# KiCad board panel.kicad_pcb (continued)
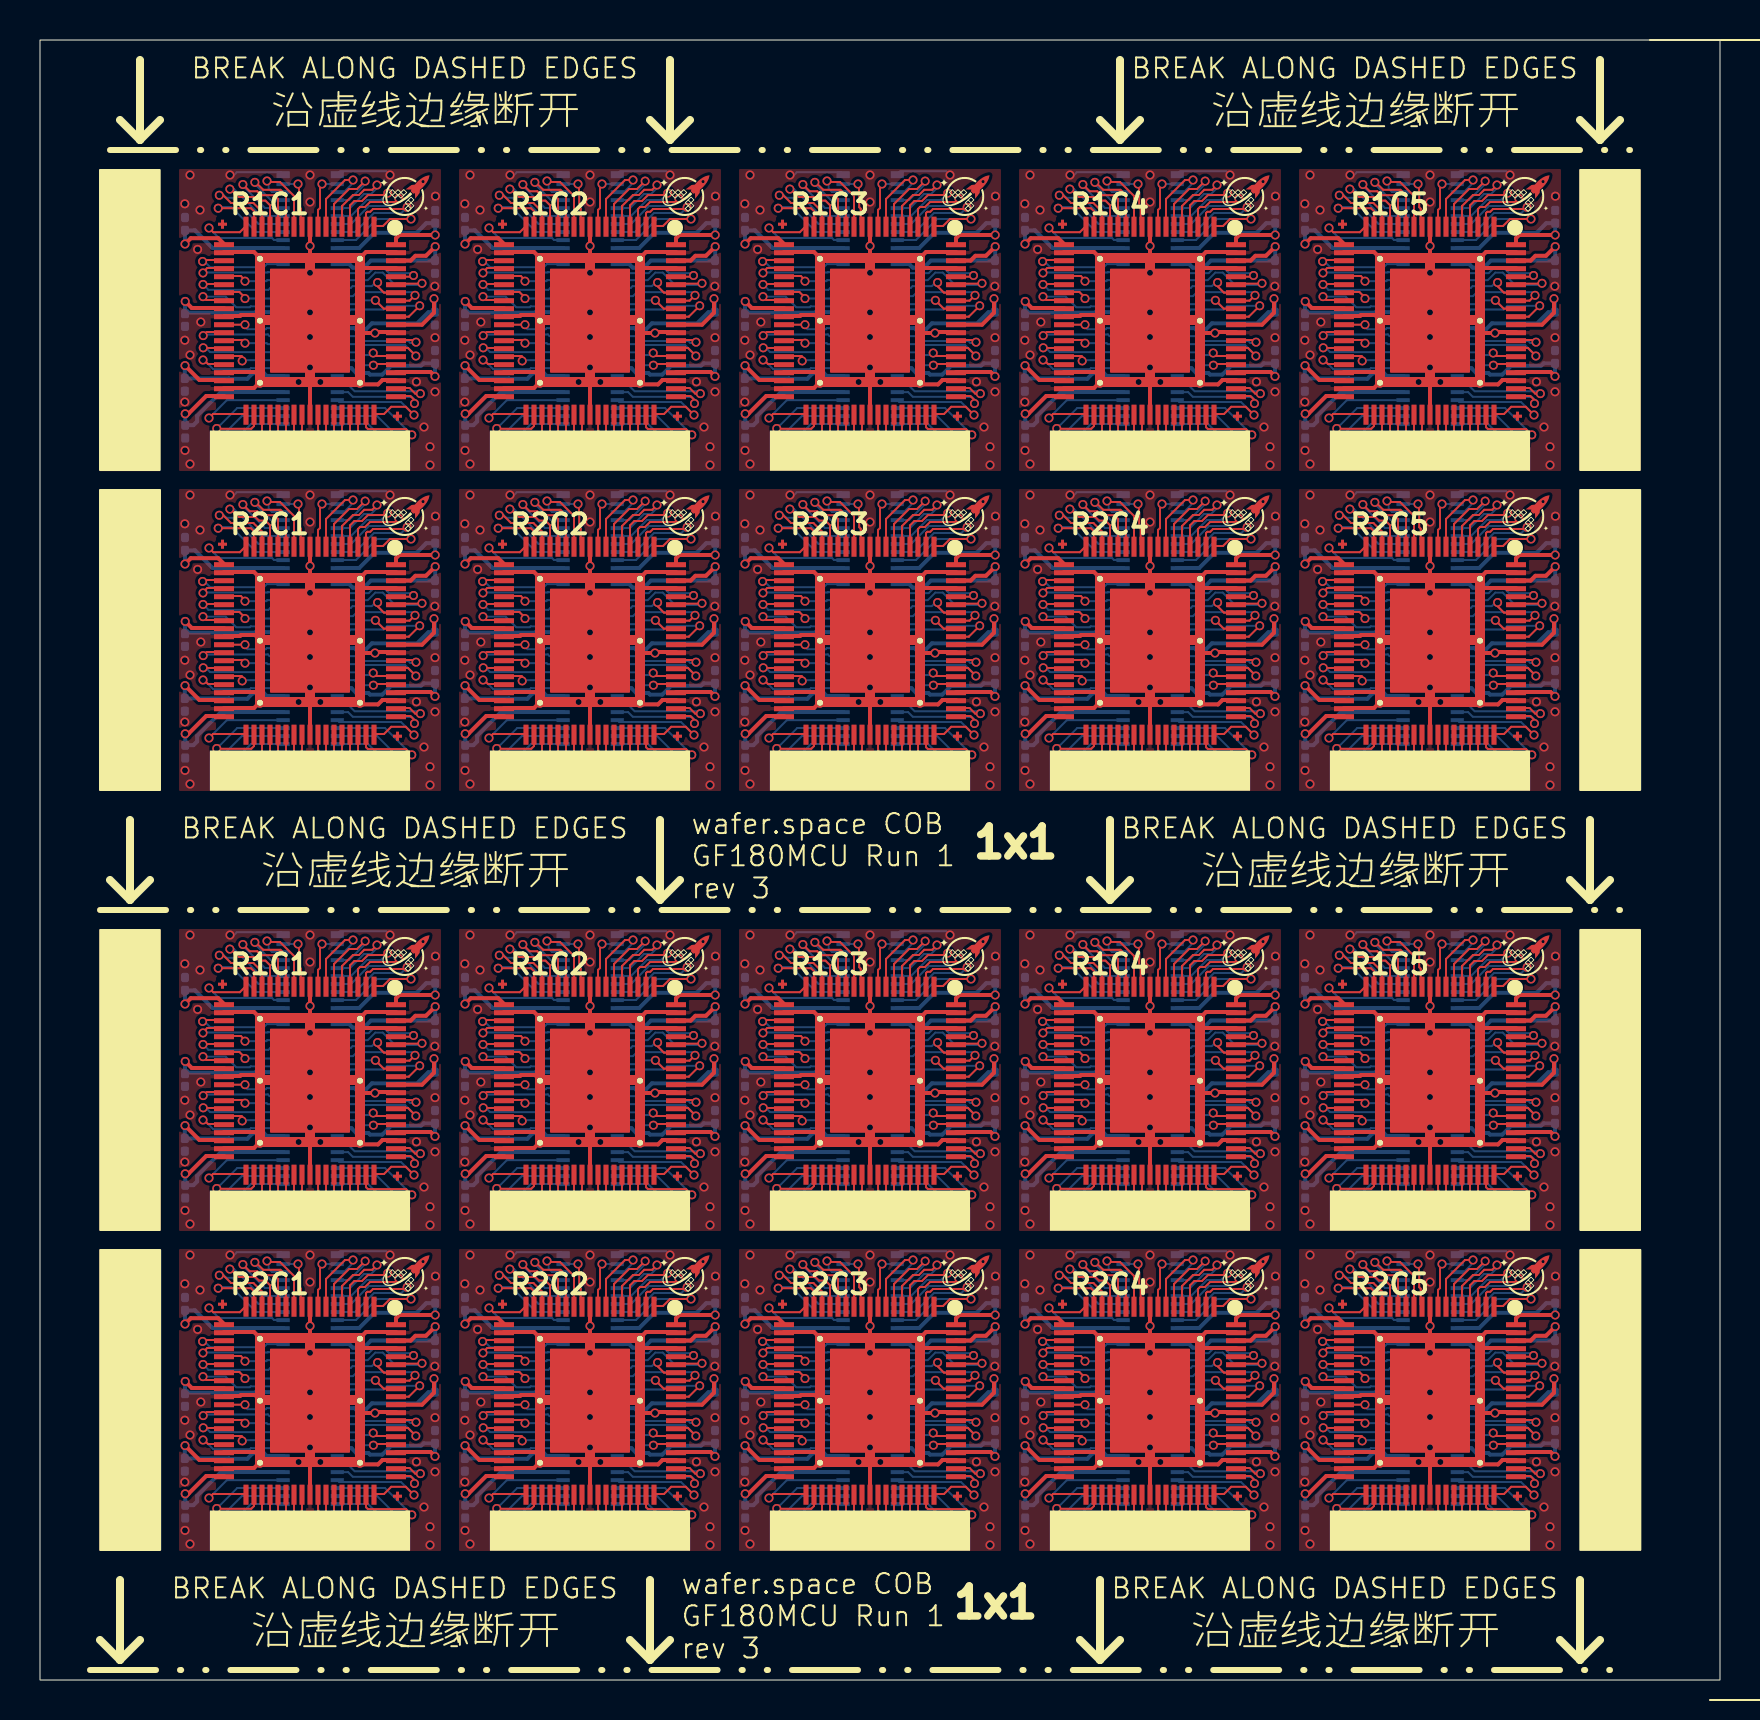
[diagram p0: board, top side]
## Routing (per net, layer and track width the routed paths; a pad name or vN(x,y) marks a point on that pad's centre or on a via; arc(x,y) is an arc through that point) (continued)
PWR_AUX_1: length 176.2
  Top w0.2: U110#2.64 75.1,67.77 75.7,68.37 v1(75.7,69.06) ; v1(47.7,69.06) 47.7,68.37 47.1,67.77 U106.64 ; U108.64 61.1,29.77 61.7,30.36 v1(61.7,31.06) ; v1(33.7,53.06) 33.7,52.36 33.1,51.77 U114.64 ; v1(75.7,53.06) 75.7,52.36 75.1,51.77 U120#2.64 ; U120.64 75.1,13.77 75.7,14.36 v1(75.7,15.06) ; U104.64 33.1,29.77 33.7,30.36 v1(33.7,31.06) ; v1(61.7,53.06) 61.7,52.36 61.1,51.77 U118#2.64 ; v1(47.7,15.06) 47.7,14.36 47.1,13.77 U116.64 ; U104#2.64 33.1,67.77 33.7,68.37 v1(33.7,69.06) ; U112.64 19.1,13.77 19.7,14.36 v1(19.7,15.06) ; U102.64 19.1,67.77 19.7,68.37 v1(19.7,69.06) ; U110.64 75.1,29.77 75.7,30.36 v1(75.7,31.06) ; U108#2.64 61.1,67.77 61.7,68.37 v1(61.7,69.06) ; U106#2.64 47.1,29.77 47.7,30.36 v1(47.7,31.06) ; U102#2.64 19.1,29.77 19.7,30.36 v1(19.7,31.06) ; U116#2.64 47.1,51.77 47.7,52.36 v1(47.7,53.06) ; U118.64 61.1,13.77 61.7,14.36 v1(61.7,15.06) ; v1(33.7,15.06) 33.7,14.36 33.1,13.77 U114#2.64 ; v1(19.7,53.06) 19.7,52.36 19.1,51.77 U112#2.64
  Bottom w0.2: v1(75.7,31.06) 75.74,31.03 C138#2.1 75.42,30.39 74.86,29.83 72.6,29.83 72.28,29.51 71.81,29.51 71.73,29.59 U109.19 ; U107.19 57.73,67.59 57.81,67.51 58.28,67.51 58.6,67.83 60.86,67.83 61.42,68.39 C130.1 61.74,69.03 v1(61.7,69.06) ; v1(61.7,15.06) 61.74,15.03 C170#2.1 61.42,14.39 60.86,13.83 58.6,13.83 58.28,13.51 57.81,13.51 57.73,13.59 U117#2.19 ; U119#2.19 71.73,13.59 71.81,13.51 72.28,13.51 72.6,13.83 74.86,13.83 75.42,14.39 C178#2.1 75.74,15.03 v1(75.7,15.06) ; v1(19.7,31.06) 19.74,31.03 C106#2.1 19.42,30.39 18.86,29.83 16.6,29.83 16.28,29.51 15.81,29.51 15.73,29.59 U101.19 ; v1(33.7,69.06) 33.74,69.03 C114.1 33.42,68.39 32.86,67.83 30.6,67.83 30.28,67.51 29.81,67.51 29.73,67.59 U103#2.19 ; U117.19 57.73,51.59 57.81,51.51 58.28,51.51 58.6,51.83 60.86,51.83 61.42,52.39 C170.1 61.74,53.03 v1(61.7,53.06) ; U105.19 43.73,67.59 43.81,67.51 44.28,67.51 44.6,67.83 46.86,67.83 47.42,68.39 C122.1 47.74,69.03 v1(47.7,69.06) ; v1(47.7,31.06) 47.74,31.03 C122#2.1 47.42,30.39 46.86,29.83 44.6,29.83 44.28,29.51 43.81,29.51 43.73,29.59 U105#2.19 ; v1(33.7,31.06) 33.74,31.03 C114#2.1 33.42,30.39 32.86,29.83 30.6,29.83 30.28,29.51 29.81,29.51 29.73,29.59 U103.19 ; v1(61.7,31.06) 61.74,31.03 C130#2.1 61.42,30.39 60.86,29.83 58.6,29.83 58.28,29.51 57.81,29.51 57.73,29.59 U107#2.19 ; U113.19 29.73,13.59 29.81,13.51 30.28,13.51 30.6,13.83 32.86,13.83 33.42,14.39 C154.1 33.74,15.03 v1(33.7,15.06) ; v1(19.7,69.06) 19.74,69.03 C106.1 19.42,68.39 18.86,67.83 16.6,67.83 16.28,67.51 15.81,67.51 15.73,67.59 U101#2.19 ; U109#2.19 71.73,67.59 71.81,67.51 72.28,67.51 72.6,67.83 74.86,67.83 75.42,68.39 C138.1 75.74,69.03 v1(75.7,69.06) ; U119.19 71.73,51.59 71.81,51.51 72.28,51.51 72.6,51.83 74.86,51.83 75.42,52.39 C178.1 75.74,53.03 v1(75.7,53.06) ; U111.19 15.73,13.59 15.81,13.51 16.28,13.51 16.6,13.83 18.86,13.83 19.42,14.39 C146#2.1 19.74,15.03 v1(19.7,15.06) ; v1(33.7,53.06) 33.74,53.03 C154#2.1 33.42,52.39 32.86,51.83 30.6,51.83 30.28,51.51 29.81,51.51 29.73,51.59 U113#2.19 ; U115.19 43.73,51.59 43.81,51.51 44.28,51.51 44.6,51.83 46.86,51.83 47.42,52.39 C162.1 47.74,53.03 v1(47.7,53.06) ; v1(47.7,15.06) 47.74,15.03 C162#2.1 47.42,14.39 46.86,13.83 44.6,13.83 44.28,13.51 43.81,13.51 43.73,13.59 U115#2.19 ; U111#2.19 15.73,51.59 15.81,51.51 16.28,51.51 16.6,51.83 18.86,51.83 19.42,52.39 C146.1 19.74,53.03 v1(19.7,53.06)

## Copper pours and planes (outline as drawn; the poured copper is in the pictures)
GND on Top, Bottom, In1.Cu, In2.Cu: 20.5,76 34.5,76 34.5,60 20.5,60
GND on Top, Bottom, In1.Cu, In2.Cu: 62.5,76 76.5,76 76.5,60 62.5,60
GND on Top, Bottom, In1.Cu, In2.Cu: 48.5,38 62.5,38 62.5,22 48.5,22
GND on Top, Bottom, In1.Cu, In2.Cu: 20.5,22 34.5,22 34.5,6 20.5,6
GND on Top, Bottom, In1.Cu, In2.Cu: 62.5,60 76.5,60 76.5,44 62.5,44
GND on Top, Bottom, In1.Cu, In2.Cu: 48.5,22 62.5,22 62.5,6 48.5,6
GND on Top, Bottom, In1.Cu, In2.Cu: 6.5,60 20.5,60 20.5,44 6.5,44
GND on Top, Bottom, In1.Cu, In2.Cu: 62.5,22 76.5,22 76.5,6 62.5,6
GND on Top, Bottom, In1.Cu, In2.Cu: 34.5,38 48.5,38 48.5,22 34.5,22
GND on Top, Bottom, In1.Cu, In2.Cu: 48.5,76 62.5,76 62.5,60 48.5,60
GND on Top, Bottom, In1.Cu, In2.Cu: 6.5,38 20.5,38 20.5,22 6.5,22
GND on Top, Bottom, In1.Cu, In2.Cu: 20.5,38 34.5,38 34.5,22 20.5,22
GND on Top, Bottom, In1.Cu, In2.Cu: 48.5,60 62.5,60 62.5,44 48.5,44
GND on Top, Bottom, In1.Cu, In2.Cu: 6.5,22 20.5,22 20.5,6 6.5,6
GND on Top, Bottom, In1.Cu, In2.Cu: 62.5,38 76.5,38 76.5,22 62.5,22
GND on Top, Bottom, In1.Cu, In2.Cu: 34.5,60 48.5,60 48.5,44 34.5,44
GND on Top, Bottom, In1.Cu, In2.Cu: 20.5,60 34.5,60 34.5,44 20.5,44
GND on Top, Bottom, In1.Cu, In2.Cu: 6.5,76 20.5,76 20.5,60 6.5,60
GND on Top, Bottom, In1.Cu, In2.Cu: 34.5,22 48.5,22 48.5,6 34.5,6
GND on Top, Bottom, In1.Cu, In2.Cu: 34.5,76 48.5,76 48.5,60 34.5,60

## Text on the board
B.Silkscreen: 70 PIN MEZZANINE / 74 PIN PADRING / VERSION: TT01 | wafer.space / GF180MCU Run 1
User.Eco2: Allocated Space / For Passives
F.Silkscreen: BREAK ALONG DASHED EDGES | wafer.space COB / GF180MCU Run 1 / rev 3 | R1C1 | R2C1 | R1C2 | R2C2 | R1C3 | R2C3 | R1C4 | R2C4 | R1C5 | R2C5 | 沿虚线边缘断开 | 1x1
User.1: V-CUT
